# Altium PCB PCB_v1.PcbDoc (part 7 of 8)
Units mil, origin at the board's own origin, x right, y up, seen from the top; angles counter-clockwise.
Board outline 17000 x 5250 mil, 4 copper layers (Top Side, Ground Layer, Power Layer, Bottom Side), stack 33.2 mil thick; 637 components, 583 nets, 2779 pads, 978 vias.
Unrouted connection lines stored in the file: 104.
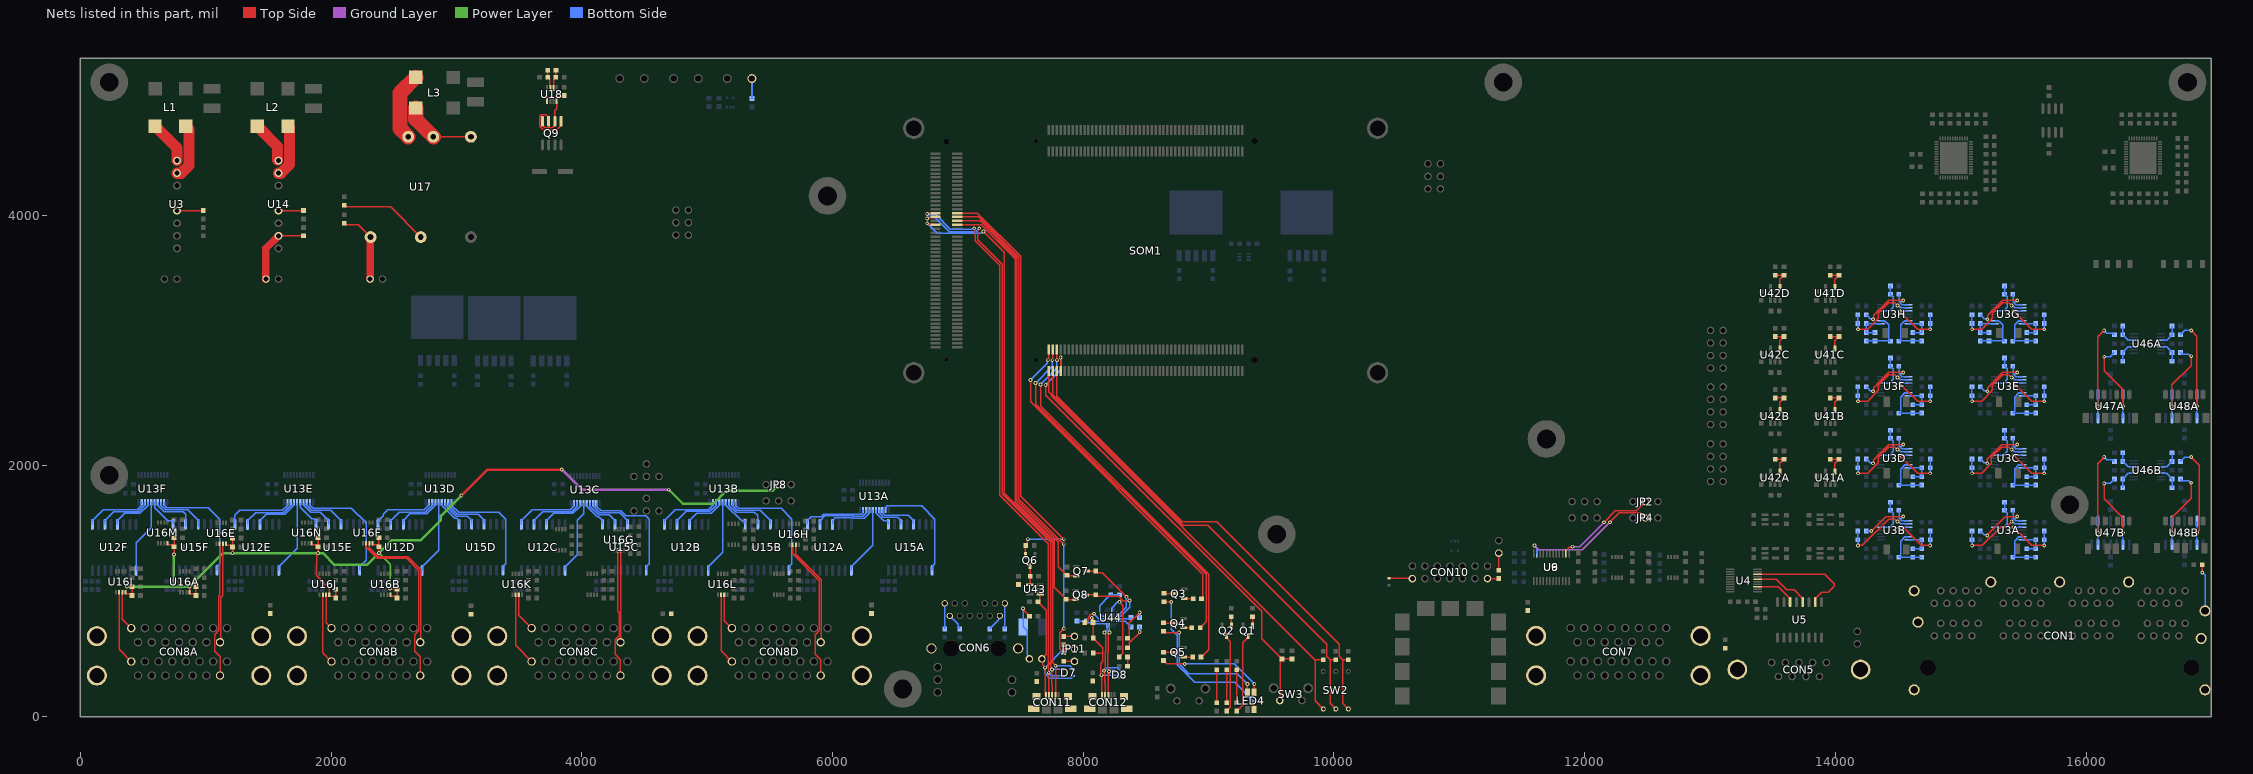
[diagram p9: the nets of this part, all layers, seen from the top]

## Via types
v1: diameter 30, hole 15, Top Side to Bottom Side, 913 vias
v2: diameter 25, hole 15, Top Side to Bottom Side, 30 vias
v3: diameter 60, hole 30, Top Side to Bottom Side, 29 vias
v4: diameter 50, hole 28, Top Side to Bottom Side, 4 vias
v5: diameter 40, hole 20, Top Side to Bottom Side, 2 vias

## Nets (pads, with @x,y where several pads share a name; then routed paths per layer and width w, separated by ;. In a path a pad name is that pad's centre, name@x,y a point inside that pad or via, vN(x,y) a via of type N, cw(c..) or ccw(c..) an arc to the next point about the centre after c; other vN are vias at no path point) (continued)
NetC47G_1: C47G.1 R4G.1 R6G.2 U3G.2 | length 405
  Bottom Side w10: R4G.1@15156.63,2996.54 15348.17,2996.54 R6G.2@15349.7,2995 15336,3008.7 15336,3124.02 15310.54,3149.48 15310.18,3149.48 15300.49,3159.17 U3G.2@15273.92,3159.17
NetC47G_2: C47G.2 R2G.1 R4G.2 U3G.1 | length 259.4
  Bottom Side w10: C47G.2@15226.63,3063.46 R4G.2@15156.63,3063.46 R2G.1@15156.63,3135 15158.06,3133.58 U3G.1@15273.92,3133.58
NetC47H_1: C47H.1 R4H.1 R6H.2 U3H.2 | length 405
  Bottom Side w10: R4H.1@14246.63,2996.54 14438.17,2996.54 R6H.2@14439.7,2995 14426,3008.7 14426,3124.02 14400.54,3149.48 14400.18,3149.48 14390.49,3159.17 U3H.2@14363.92,3159.17
NetC47H_2: C47H.2 R2H.1 R4H.2 U3H.1 | length 259.4
  Bottom Side w10: C47H.2@14316.63,3063.46 R4H.2@14246.63,3063.46 R2H.1@14246.63,3135 14248.06,3133.58 U3H.1@14363.92,3133.58
NetC48A_2: C48A.2 R5A.2 U3A.5 | length 289
  Bottom Side w10: U3A.5@15273.92,1510.94 15342.93,1510.94 15371.63,1539.64 15371.63,1623.07 R5A.2@15349.7,1645 C48A.2@15349.7,1710
NetC48B_2: C48B.2 R5B.2 U3B.5 | length 289
  Bottom Side w10: U3B.5@14363.92,1510.94 14432.93,1510.94 14461.63,1539.64 14461.63,1623.07 R5B.2@14439.7,1645 C48B.2@14439.7,1710
NetC48C_2: C48C.2 R5C.2 U3C.5 | length 289
  Bottom Side w10: U3C.5@15273.92,2085.94 15342.93,2085.94 15371.63,2114.64 15371.63,2198.07 R5C.2@15349.7,2220 C48C.2@15349.7,2285
NetC48D_2: C48D.2 R5D.2 U3D.5 | length 289
  Bottom Side w10: U3D.5@14363.92,2085.94 14432.93,2085.94 14461.63,2114.64 14461.63,2198.07 R5D.2@14439.7,2220 C48D.2@14439.7,2285
NetC48E_2: C48E.2 R5E.2 U3E.5 | length 289
  Bottom Side w10: U3E.5@15273.92,2660.94 15342.93,2660.94 15371.63,2689.64 15371.63,2773.07 R5E.2@15349.7,2795 C48E.2@15349.7,2860
NetC48F_2: C48F.2 R5F.2 U3F.5 | length 289
  Bottom Side w10: U3F.5@14363.92,2660.94 14432.93,2660.94 14461.63,2689.64 14461.63,2773.07 R5F.2@14439.7,2795 C48F.2@14439.7,2860
NetC48G_2: C48G.2 R5G.2 U3G.5 | length 289
  Bottom Side w10: U3G.5@15273.92,3235.94 15342.93,3235.94 15371.63,3264.64 15371.63,3348.07 R5G.2@15349.7,3370 C48G.2@15349.7,3435
NetC48H_2: C48H.2 R5H.2 U3H.5 | length 289
  Bottom Side w10: U3H.5@14363.92,3235.94 14432.93,3235.94 14461.63,3264.64 14461.63,3348.07 R5H.2@14439.7,3370 C48H.2@14439.7,3435
NetC49_1: C49.1 JP10.1 U14.7 | length 586.7
  Top Side w10: U14.7@1580,3835.29 C49.1@1780,3835.29
  Top Side w60: JP10.1@1480,3490 1480,3735.29 U14.7@1580,3835.29
NetC49A_1: C49A.1 R6A.1 R7A.1 U3A.13 | length 395
  Bottom Side w10: U3A.13@15492.42,1434.17 15491.51,1433.26 15464.58,1433.26 15430.33,1399.02 15430.33,1283.7 R6A.1@15416.63,1270 15418.17,1271.54 C49A.1@15599.7,1271.54
NetC49A_2: C49A.2 R7A.2 R8A.1 U3A.14 | length 252.5
  Bottom Side w10: U3A.14@15492.42,1408.58 15598.28,1408.58 R8A.1@15599.7,1410 C49A.2@15599.7,1338.46 R7A.2@15526.63,1338.46
NetC49B_1: C49B.1 R6B.1 R7B.1 U3B.13 | length 395
  Bottom Side w10: U3B.13@14582.42,1434.17 14581.51,1433.26 14554.58,1433.26 14520.33,1399.02 14520.33,1283.7 R6B.1@14506.63,1270 14508.17,1271.54 C49B.1@14689.7,1271.54
NetC49B_2: C49B.2 R7B.2 R8B.1 U3B.14 | length 252.5
  Bottom Side w10: U3B.14@14582.42,1408.58 14688.28,1408.58 R8B.1@14689.7,1410 C49B.2@14689.7,1338.46 R7B.2@14616.63,1338.46
NetC49C_1: C49C.1 R6C.1 R7C.1 U3C.13 | length 395
  Bottom Side w10: U3C.13@15492.42,2009.17 15491.51,2008.26 15464.58,2008.26 15430.33,1974.02 15430.33,1858.7 R6C.1@15416.63,1845 15418.17,1846.54 C49C.1@15599.7,1846.54
NetC49C_2: C49C.2 R7C.2 R8C.1 U3C.14 | length 252.5
  Bottom Side w10: U3C.14@15492.42,1983.58 15598.28,1983.58 R8C.1@15599.7,1985 C49C.2@15599.7,1913.46 R7C.2@15526.63,1913.46
NetC49D_1: C49D.1 R6D.1 R7D.1 U3D.13 | length 395
  Bottom Side w10: U3D.13@14582.42,2009.17 14581.51,2008.26 14554.58,2008.26 14520.33,1974.02 14520.33,1858.7 R6D.1@14506.63,1845 14508.17,1846.54 C49D.1@14689.7,1846.54
NetC49D_2: C49D.2 R7D.2 R8D.1 U3D.14 | length 252.5
  Bottom Side w10: U3D.14@14582.42,1983.58 14688.28,1983.58 R8D.1@14689.7,1985 C49D.2@14689.7,1913.46 R7D.2@14616.63,1913.46
NetC49E_1: C49E.1 R6E.1 R7E.1 U3E.13 | length 395
  Bottom Side w10: U3E.13@15492.42,2584.17 15491.51,2583.26 15464.58,2583.26 15430.33,2549.02 15430.33,2433.7 R6E.1@15416.63,2420 15418.17,2421.54 C49E.1@15599.7,2421.54
NetC49E_2: C49E.2 R7E.2 R8E.1 U3E.14 | length 252.5
  Bottom Side w10: U3E.14@15492.42,2558.58 15598.28,2558.58 R8E.1@15599.7,2560 C49E.2@15599.7,2488.46 R7E.2@15526.63,2488.46
NetC49F_1: C49F.1 R6F.1 R7F.1 U3F.13 | length 395
  Bottom Side w10: U3F.13@14582.42,2584.17 14581.51,2583.26 14554.58,2583.26 14520.33,2549.02 14520.33,2433.7 R6F.1@14506.63,2420 14508.17,2421.54 C49F.1@14689.7,2421.54
NetC49F_2: C49F.2 R7F.2 R8F.1 U3F.14 | length 252.5
  Bottom Side w10: U3F.14@14582.42,2558.58 14688.28,2558.58 R8F.1@14689.7,2560 C49F.2@14689.7,2488.46 R7F.2@14616.63,2488.46
NetC49G_1: C49G.1 R6G.1 R7G.1 U3G.13 | length 395
  Bottom Side w10: U3G.13@15492.42,3159.17 15491.51,3158.26 15464.58,3158.26 15430.33,3124.02 15430.33,3008.7 R6G.1@15416.63,2995 15418.17,2996.54 C49G.1@15599.7,2996.54
NetC49G_2: C49G.2 R7G.2 R8G.1 U3G.14 | length 252.5
  Bottom Side w10: U3G.14@15492.42,3133.58 15598.28,3133.58 R8G.1@15599.7,3135 C49G.2@15599.7,3063.46 R7G.2@15526.63,3063.46
NetC49H_1: C49H.1 R6H.1 R7H.1 U3H.13 | length 395
  Bottom Side w10: U3H.13@14582.42,3159.17 14581.51,3158.26 14554.58,3158.26 14520.33,3124.02 14520.33,3008.7 R6H.1@14506.63,2995 14508.17,2996.54 C49H.1@14689.7,2996.54
NetC49H_2: C49H.2 R7H.2 R8H.1 U3H.14 | length 252.5
  Bottom Side w10: U3H.14@14582.42,3133.58 14688.28,3133.58 R8H.1@14689.7,3135 C49H.2@14689.7,3063.46 R7H.2@14616.63,3063.46
NetC57_2: C57.2 CON6.12 | length 204.1
  Bottom Side w10: C57.2@6895,698.9 CON6.12@6895,903.03
NetC58_2: C58.2 CON6.6 | length 137.2
  Bottom Side w10: CON6.6@6935.08,803.03 7001.3,736.81 7001.3,712.6 C58.2@7015,698.9
NetC59_2: C59.2 CON6.1 | length 137.3
  Bottom Side w10: C59.2@7255,698.9 7327.35,771.24 7327.35,795.38 CON6.1@7335,803.03
NetC60_2: C60.2 CON6.7 | length 204.1
  Bottom Side w10: C60.2@7375,698.9 CON6.7@7375,903.03
NetC88_2: C88.2 JP14.2 U17.6 | length 587.9
  Top Side w10: C88.2@2103.46,3936.54 2117.17,3922.83 2217.13,3922.83 U17.6@2314.68,3825.29
  Top Side w60: JP14.2@2310,3490 U17.6@2310,3820.6
NetC169_2: C169.2 CON11.1 D7.3 JP11.2 JP12.1 U43.1 | length 1466.1
  Top Side w10: U43.1@7657.32,977.6 7652.17,972.44 7652.17,928.7 C169.2@7638.46,915 7705,848.46 7705,495 JP12.1@7670,460 7675.41,454.59 7675.41,412.84 7695,393.25 v1(7695,390) 7698.31,386.69 7698.31,170.28 CON11.1@7701.18,167.4
  Bottom Side w10: D7.3@7922.4,324.41 7920.43,324.41 7902.56,306.54 7733.11,306.54 7695,344.64 v1(7695,390) 7845,540 JP11.2@7930,540
NetC170_2: C170.2 C171.2 JP12.2 | length 506
  Top Side w10: v1(7520,861.97) 7523.83,858.14 7523.83,847.71 C171.2@7571.54,800
  Bottom Side w10: v1(7520,861.97) C170.2@7520.04,715 7552.54,682.5 7552.54,490.99 7570,473.53 JP12.2@7570,460
NetC172_1: C172.1 C173.1 CON12.1 D8.3 R52.2 U44.7 | length 1037.2
  Top Side w10: v1(8067.46,786.63) 8067.46,761.01 R52.2@8078.46,750 8079.72,748.74 C172.1@8079.72,626.57 8157.43,548.87 8157.43,506.57 ; C173.1@8079.72,506.57 8157.43,506.57 ; CON12.1@8148.54,167.4 8146.77,169.17 8146.77,328.23 v1(8145,330) 8140,335 8140,421.9 8157.43,439.32 8157.43,506.57
  Bottom Side w10: v1(8067.46,786.63) 8093.62,760.47 U44.7@8157.92,760.47 ; v1(8145,330) 8263.87,330 8284.46,309.41 D8.3@8327.4,309.41
NetC174_2: C174.2 C175.2 U44.6 | length 228.3
  Bottom Side w10: C175.2@7950,761.54 C174.2@8025,761.54 8038.7,747.83 8085.04,747.83 8092.09,740.79 U44.6@8169.73,740.79
NetC176_2: C176.2 R56.2 U44.9 | length 302.3
  Bottom Side w10: U44.9@8157.92,799.84 8157.01,800.75 8138.93,800.75 8130.2,809.48 8130.2,884.02 8204.01,957.83 8206.3,957.83 C176.2@8220,971.54 R56.2@8290,971.54
NetC181A_2: C181A.2 R57A.2 U46A.3 | length 175.9
  Bottom Side w10: C181A.2@16293.46,2835 R57A.2@16293.46,2905 16337.48,2949.02 16379.84,2949.02 U46A.3@16380.75,2949.92
NetC181B_2: C181B.2 R57B.2 U46B.3 | length 175.9
  Bottom Side w10: C181B.2@16293.46,1825 R57B.2@16293.46,1895 16337.48,1939.02 16379.84,1939.02 U46B.3@16380.75,1939.92
NetC182A_1: C182A.1 R58A.2 U46A.5 | length 175.5
  Bottom Side w10: C182A.1@16293.46,3115 R58A.2@16293.46,3045 16336.46,3002.01 16379.84,3002.01 U46A.5@16380.75,3001.1
NetC182B_1: C182B.1 R58B.2 U46B.5 | length 175.5
  Bottom Side w10: C182B.1@16293.46,2105 R58B.2@16293.46,2035 16336.46,1992.01 16379.84,1992.01 U46B.5@16380.75,1991.1
NetC185A_2: C185A.2 R59A.2 U46A.10 | length 175.5
  Bottom Side w10: U46A.10@16599.25,3001.1 16600.16,3002.01 16643.54,3002.01 R59A.2@16686.54,3045 C185A.2@16686.54,3115
NetC185B_2: C185B.2 R59B.2 U46B.10 | length 175.5
  Bottom Side w10: U46B.10@16599.25,1991.1 16600.16,1992.01 16643.54,1992.01 R59B.2@16686.54,2035 C185B.2@16686.54,2105
NetC186A_1: C186A.1 R60A.2 U46A.12 | length 175.9
  Bottom Side w10: U46A.12@16599.25,2949.92 16600.16,2949.02 16642.52,2949.02 R60A.2@16686.54,2905 C186A.1@16686.54,2835
NetC186B_1: C186B.1 R60B.2 U46B.12 | length 175.9
  Bottom Side w10: U46B.12@16599.25,1939.92 16600.16,1939.02 16642.52,1939.02 R60B.2@16686.54,1895 C186B.1@16686.54,1825
NetCON2_2: CON2.2 R13.2 | length 160
  Bottom Side w15: R13.2@5356.85,4930 CON2.2@5356.85,5090
NetCON10_2: CON10.2 D2.C | length 186.1
  Top Side w10: D2.C@10440,1102.56 10441.28,1101.28 10623.72,1101.28 CON10.2@10625,1100
NetCON10_14: CON10.14 R27.2 | length 90.3
  Top Side w10: CON10.14@11225,1100 11314.21,1100 R27.2@11315,1100.79
NetJP2_2: JP2.2 U6.2 | length 821.8
  Top Side w10: U6.2@11850.16,1300.24 11850.16,1325.83 11859.84,1335.51 11859.84,1335.87 11875.39,1351.42 11898.83,1351.42 v1(11902.66,1355.25) ; v1(12155,1550) 12245,1640 12410,1640 JP2.2@12485,1715
  Ground Layer w10: v1(11902.66,1355.25) 11960.25,1355.25 v1(12155,1550)
NetJP4_2: JP4.2 U9.2 | length 1111
  Top Side w10: v1(12201.63,1550) 12276.63,1625 12445,1625 JP4.2@12485,1585
  Ground Layer w10: v1(11600,1365) 11634.75,1330.25 11981.88,1330.25 v1(12201.63,1550)
  Bottom Side w10: v1(11600,1365) 11600,1360.45 11618.94,1341.51 11618.94,1301.14 U9.2@11619.84,1300.24
NetJP9_2: JP9.2 R27.1 | length 135.2
  Top Side w10: R27.1@11315,1167.72 JP9.2@11315,1302.89
NetJP11_1: JP11.1 R42.2 | length 85.6
  Top Side w10: R42.2@7845,638.46 7846.54,640 JP11.1@7930,640
NetJP11_3: JP11.3 R43.2 | length 85.6
  Top Side w10: R43.2@7845,441.54 7846.54,440 JP11.3@7930,440
NetL1_3: L1.3 U3.1 | length 347.4
  Top Side w90: L1.3@594.63,4710 770,4534.63 U3.1@770,4435.29
NetL1_4: L1.4 U3.2 | length 444.7
  Top Side w90: U3.2@770,4335.29 804.35,4335.29 865,4395.94 865,4684.63 L1.4@839.63,4710
NetL2_3: L2.3 U14.1 | length 334.7
  Top Side w90: L2.3@1410,4710 1572.64,4547.36 U14.1@1572.64,4442.64
NetL2_4: L2.4 U14.2 | length 427.8
  Top Side w90: U14.2@1580,4335.29 1599.64,4335.29 1667.64,4403.29 1667.64,4697.36 L2.4@1655,4710
NetL3_3: L3.3 U17.1 | length 553.2
  Top Side w120: U17.1@2614.68,4625.29 2549.68,4690.29 2549.68,4974.77 L3.3@2674.68,5099.77
NetL3_4: L3.4 U17.2 U17.3 | length 587.5
  Top Side w10: U17.2@2814.68,4625.29 U17.3@3114.68,4625.29
  Top Side w120: L3.4@2674.68,4854.77 2674.68,4765.29 U17.2@2814.68,4625.29
NetLED1_A: LED1.A R10.1 | length 263.1
  Top Side w10: LED1.A@9225,111.06 R10.1@9225,374.13
NetLED1_C: LED1.C Q1.3 | length 634.9
  Top Side w10: LED1.C@9225,44.13 9272.82,91.95 9272.82,587.62 9313.74,628.54 Q1.3@9313.74,642.32
NetLED2_A: LED2.A R11.1 | length 263.1
  Top Side w10: LED2.A@9145,111.06 R11.1@9145,374.13
NetLED2_C: LED2.C Q2.3 | length 622.5
  Top Side w10: Q2.3@9143.74,642.32 9143.74,628.54 9173.7,598.58 9173.7,72.83 LED2.C@9145,44.13
NetLED3_A: LED3.A R12.1 | length 263.1
  Top Side w10: LED3.A@9065,111.06 R12.1@9065,374.13
NetLED4_2: LED4.2 R14.2 | length 1378.4
  Top Side w10: R14.2@8643.62,916.34 8645.16,914.8 v1(8702.28,914.8) ; LED4.2@9363.9,56.1 9365,57.2 v1(9365,115)
  Bottom Side w10: v1(8702.28,914.8) 8702.28,697.78 8750,650.07 8750,413.43 8891.03,272.4 9207.6,272.4 v1(9365,115)
NetLED4_3: LED4.3 R15.2 | length 1055.3
  Top Side w10: R15.2@8642.13,679.8 8651.52,670.42 v1(8765,670.42) ; LED4.3@9308.78,193.9 9310,195.12 v1(9310,260)
  Bottom Side w10: v1(8765,670.42) 8765,419.64 8842.91,341.74 9228.26,341.74 v1(9310,260)
NetLED4_4: LED4.4 R16.2 | length 868.1
  Top Side w10: R16.2@8640.6,446.34 8666.94,420 v1(8810,420) ; LED4.4@9363.9,193.9 9365,195 v1(9365,260)
  Bottom Side w10: v1(8810,420) 9205,420 v1(9365,260)
NetLED5_A: LED5.A R49.1 | length 75
  Top Side w10: R49.1@8353.46,400 LED5.A@8353.46,475
NetLED5_C: LED5.C U44.14 | length 560.7
  Top Side w10: LED5.C@8286.54,475 8315.24,503.7 8315.24,889.76 v1(8290,915)
  Bottom Side w10: U44.14@8228.78,850.83 8229.69,851.74 8229.69,869.82 8271.04,911.17 8286.17,911.17 v1(8290,915)
NetLED6_C: LED6.C R54.1 | length 285.6
  Top Side w10: LED6.C@8353.46,625 8367.17,638.7 8367.17,747.17 v1(8450,830)
  Bottom Side w10: R54.1@8448.46,790 8450,791.54 v1(8450,830)
NetLED7_C: LED7.C R55.1 | length 205.6
  Top Side w10: LED7.C@8353.46,550 8367.17,563.7 8367.17,587.16 8450,669.99 v1(8450,675)
  Bottom Side w10: R55.1@8448.46,715 8450,713.46 v1(8450,675)
NetQ1_1: Q1.1 R19.1 | length 72
  Top Side w10: R19.1@9350,796.54 9351.14,795.39 Q1.1@9351.14,725
NetQ2_1: Q2.1 R28.1 | length 72.2
  Top Side w10: R28.1@9179.65,796.54 9179.65,726.5 Q2.1@9181.14,725
NetQ3_1: Q3.1 R29.1 | length 72.4
  Top Side w10: Q3.1@8804.96,942.4 8807.01,940.36 R29.1@8876.54,940.36
NetQ3_3: Q3.3 R14.1 | length 80.1
  Top Side w10: R14.1@8643.62,983.27 8647.09,979.8 Q3.3@8722.28,979.8
NetQ4_1: Q4.1 R31.1 | length 65.6
  Top Side w10: Q4.1@8800.6,708.42 8800.8,708.22 R31.1@8866.15,708.22
NetQ4_3: Q4.3 R15.1 | length 78.3
  Top Side w10: R15.1@8640.6,748.27 8643.05,745.82 Q4.3@8717.92,745.82
NetQ5_1: Q5.1 R32.1 | length 72.3
  Top Side w10: Q5.1@8800.6,475 R32.1@8872.87,475
NetQ5_3: Q5.3 R16.1 | length 77.7
  Top Side w10: R16.1@8640.6,513.27 8641.46,512.4 Q5.3@8717.92,512.4
NetQ6_3: Q6.3 R45.1 U43.4 | length 152.9
  Top Side w10: U43.4@7572.68,1052.4 7576.54,1056.26 Q6.3@7576.54,1203.66
NetQ7_3: Q7.3 R48.1 U44.17 | length 574.3
  Top Side w10: Q7.3@8026.34,1160 8098.46,1160 R48.1@8100,1161.54 8113.7,1147.83 8152.17,1147.83 v1(8345,955)
  Bottom Side w10: U44.17@8279.78,819.53 8291.59,819.53 8345,872.94 v1(8345,955)
NetQ8_3: Q8.3 R51.1 U44.18 | length 539.5
  Top Side w10: Q8.3@8021.34,970 R51.1@8097.21,970 ; R51.1@8098.75,971.54 8112.45,957.83 8282.52,957.83 8315.36,925 v1(8370,925)
  Bottom Side w10: U44.18@8279.78,799.84 8280.68,800.75 8298.76,800.75 8370,871.99 v1(8370,925)
NetQ9_1: Q9.1 Q9.3 | length 428.8
  Top Side w10: Q9.3@3735,4749.54 3735,4781.03 3713.19,4802.84 3675.97,4802.84 3663.19,4790.07 3663.19,4709.01 3690.97,4681.23 3798.19,4681.23 3835,4718.04 Q9.1@3835,4749.54
NetQ9_2: Q9.2 Q9.4 U18.8 | length 349.5
  Top Side w10: Q9.4@3685,4749.54 3685,4718.04 3706.81,4696.23 3763.19,4696.23 3785,4718.04 3785,4832.96 3799.56,4847.52 U18.8@3799.56,4911.9
NetR2_2: R2.2 U14.5 | length 200.7
  Top Side w10: U14.5@1580,4035.29 1778.36,4035.29 R2.2@1780,4036.93
NetR2A_2: R2A.2 R3A.1 U3A.9 | length 602.9
  Top Side w10: v1(15091.63,1365) 15171.78,1365 15321.78,1515 15366.63,1515 v1(15406.63,1555)
  Bottom Side w10: R3A.1@15089.7,1480 R2A.2@15089.7,1410 15091.63,1408.07 v1(15091.63,1365) ; v1(15406.63,1555) 15412.04,1555 15430.51,1536.53 U3A.9@15492.42,1536.53
NetR2B_2: R2B.2 R3B.1 U3B.9 | length 619.5
  Top Side w10: v1(14181.63,1365) 14216.28,1365 14426.28,1575 14474.21,1575 14494.21,1555 v1(14496.63,1555)
  Bottom Side w10: R3B.1@14179.7,1480 R2B.2@14179.7,1410 14181.63,1408.07 v1(14181.63,1365) ; v1(14496.63,1555) 14502.04,1555 14520.51,1536.53 U3B.9@14582.42,1536.53
NetR2C_2: R2C.2 R3C.1 U3C.9 | length 647.4
  Top Side w10: v1(15091.63,1940) 15166.99,1940 15245.97,2018.99 15245.97,2066.66 15329.31,2150 15384.21,2150 15404.21,2130 v1(15406.63,2130)
  Bottom Side w10: R3C.1@15089.7,2055 R2C.2@15089.7,1985 15091.63,1983.07 v1(15091.63,1940) ; v1(15406.63,2130) 15412.04,2130 15430.51,2111.53 U3C.9@15492.42,2111.53
NetR2D_2: R2D.2 R3D.1 U3D.9 | length 643.4
  Top Side w10: v1(14181.63,1940) 14256.99,1940 14343.55,2026.56 14343.55,2067.27 14426.28,2150 14474.21,2150 14494.21,2130 v1(14496.63,2130)
  Bottom Side w10: R3D.1@14179.7,2055 R2D.2@14179.7,1985 14181.63,1983.07 v1(14181.63,1940) ; v1(14496.63,2130) 14502.04,2130 14520.51,2111.53 U3D.9@14582.42,2111.53
NetR2E_2: R2E.2 R3E.1 U3E.9 | length 643.4
  Top Side w10: v1(15091.63,2515) 15166.99,2515 15253.55,2601.56 15253.55,2642.27 15336.28,2725 15384.21,2725 15404.21,2705 v1(15406.63,2705)
  Bottom Side w10: R3E.1@15089.7,2630 R2E.2@15089.7,2560 15091.63,2558.07 v1(15091.63,2515) ; v1(15406.63,2705) 15412.04,2705 15430.51,2686.53 U3E.9@15492.42,2686.53
NetR2F_2: R2F.2 R3F.1 U3F.9 | length 643.4
  Top Side w10: v1(14181.63,2515) 14256.99,2515 14343.55,2601.56 14343.55,2642.27 14426.28,2725 14474.21,2725 14494.21,2705 v1(14496.63,2705)
  Bottom Side w10: R3F.1@14179.7,2630 R2F.2@14179.7,2560 14181.63,2558.07 v1(14181.63,2515) ; v1(14496.63,2705) 14502.04,2705 14520.51,2686.53 U3F.9@14582.42,2686.53
NetR2G_2: R2G.2 R3G.1 U3G.9 | length 643.4
  Top Side w10: v1(15091.63,3090) 15166.99,3090 15253.55,3176.56 15253.55,3217.27 15336.28,3300 15384.21,3300 15404.21,3280 v1(15406.63,3280)
  Bottom Side w10: R3G.1@15089.7,3205 R2G.2@15089.7,3135 15091.63,3133.07 v1(15091.63,3090) ; v1(15406.63,3280) 15412.04,3280 15430.51,3261.53 U3G.9@15492.42,3261.53
NetR2H_2: R2H.2 R3H.1 U3H.9 | length 643.4
  Top Side w10: v1(14181.63,3090) 14256.99,3090 14343.55,3176.56 14343.55,3217.27 14426.28,3300 14474.21,3300 14494.21,3280 v1(14496.63,3280)
  Bottom Side w10: R3H.1@14179.7,3205 R2H.2@14179.7,3135 14181.63,3133.07 v1(14181.63,3090) ; v1(14496.63,3280) 14502.04,3280 14520.51,3261.53 U3H.9@14582.42,3261.53
NetR3_2: R3.2 U17.5 | length 716.8
  Top Side w10: R3.2@2103.46,4080.09 2117.17,4066.39 2473.58,4066.39 U17.5@2714.68,3825.29
NetR3A_2: R3A.2 R5A.1 U3A.8 | length 553.3
  Top Side w10: v1(15211.63,1445) 15211.63,1450.36 15356.28,1595 v1(15451.63,1595)
  Bottom Side w10: R3A.2@15156.63,1480 15187.81,1448.83 15207.81,1448.83 v1(15211.63,1445) ; R5A.1@15416.63,1645 15420.77,1640.86 15420.77,1580.86 15426.63,1575 ; v1(15451.63,1595) 15446.63,1595 15426.63,1575 ; U3A.8@15492.42,1562.12 15439.51,1562.12 15426.63,1575
NetR3B_2: R3B.2 R5B.1 U3B.8 | length 521.2
  Top Side w10: v1(14286.63,1480) 14401.63,1595 v1(14541.63,1595)
  Bottom Side w10: R3B.2@14246.63,1480 v1(14286.63,1480) ; R5B.1@14506.63,1645 14510.77,1640.86 14510.77,1580.86 14516.63,1575 ; v1(14541.63,1595) 14536.63,1595 14516.63,1575 ; U3B.8@14582.42,1562.12 14529.51,1562.12 14516.63,1575
NetR3C_2: R3C.2 R5C.1 U3C.8 | length 569.8
  Top Side w10: v1(15211.63,2020) 15211.63,2053.54 15328.1,2170 v1(15451.63,2170)
  Bottom Side w10: R3C.2@15156.63,2055 15187.81,2023.83 15207.81,2023.83 v1(15211.63,2020) ; R5C.1@15416.63,2220 15420.77,2215.86 15420.77,2155.86 15426.63,2150 ; v1(15451.63,2170) 15446.63,2170 15426.63,2150 ; U3C.8@15492.42,2137.12 15439.51,2137.12 15426.63,2150
NetR3D_2: R3D.2 R5D.1 U3D.8 | length 565.7
  Top Side w10: v1(14301.63,2020) 14305.06,2023.43 14305.06,2050 14425.06,2170 v1(14541.63,2170)
  Bottom Side w10: R3D.2@14246.63,2055 14277.81,2023.83 14297.81,2023.83 v1(14301.63,2020) ; R5D.1@14506.63,2220 14510.77,2215.86 14510.77,2155.86 14516.63,2150 ; v1(14541.63,2170) 14536.63,2170 14516.63,2150 ; U3D.8@14582.42,2137.12 14529.51,2137.12 14516.63,2150
NetR3E_2: R3E.2 R5E.1 U3E.8 | length 565.7
  Top Side w10: v1(15211.63,2595) 15215.06,2598.43 15215.06,2625 15335.06,2745 v1(15451.63,2745)
  Bottom Side w10: R3E.2@15156.63,2630 15187.81,2598.83 15207.81,2598.83 v1(15211.63,2595) ; R5E.1@15416.63,2795 15420.77,2790.86 15420.77,2730.86 15426.63,2725 ; v1(15451.63,2745) 15446.63,2745 15426.63,2725 ; U3E.8@15492.42,2712.12 15439.51,2712.12 15426.63,2725
NetR3F_2: R3F.2 R5F.1 U3F.8 | length 565.7
  Top Side w10: v1(14301.63,2595) 14305.06,2598.43 14305.06,2625 14425.06,2745 v1(14541.63,2745)
  Bottom Side w10: R3F.2@14246.63,2630 14277.81,2598.83 14297.81,2598.83 v1(14301.63,2595) ; R5F.1@14506.63,2795 14510.77,2790.86 14510.77,2730.86 14516.63,2725 ; v1(14541.63,2745) 14536.63,2745 14516.63,2725 ; U3F.8@14582.42,2712.12 14529.51,2712.12 14516.63,2725
NetR3G_2: R3G.2 R5G.1 U3G.8 | length 565.7
  Top Side w10: v1(15211.63,3170) 15215.06,3173.43 15215.06,3200 15335.06,3320 v1(15451.63,3320)
  Bottom Side w10: R3G.2@15156.63,3205 15187.81,3173.83 15207.81,3173.83 v1(15211.63,3170) ; R5G.1@15416.63,3370 15420.77,3365.86 15420.77,3305.86 15426.63,3300 ; v1(15451.63,3320) 15446.63,3320 15426.63,3300 ; U3G.8@15492.42,3287.12 15439.51,3287.12 15426.63,3300
NetR3H_2: R3H.2 R5H.1 U3H.8 | length 565.7
  Top Side w10: v1(14301.63,3170) 14305.06,3173.43 14305.06,3200 14425.06,3320 v1(14541.63,3320)
  Bottom Side w10: R3H.2@14246.63,3205 14277.81,3173.83 14297.81,3173.83 v1(14301.63,3170) ; R5H.1@14506.63,3370 14510.77,3365.86 14510.77,3305.86 14516.63,3300 ; v1(14541.63,3320) 14536.63,3320 14516.63,3300 ; U3H.8@14582.42,3287.12 14529.51,3287.12 14516.63,3300
NetR4_1: R4.1 U18.5 | length 165.7
  Top Side w10: U18.5@3722.79,4911.9 3722.79,4928.04 3730.5,4935.76 3730.5,4940.06 3736.36,4945.91 3851.12,4945.91 R4.1@3859.14,4953.94